# KiCad board XC31.kicad_pcb
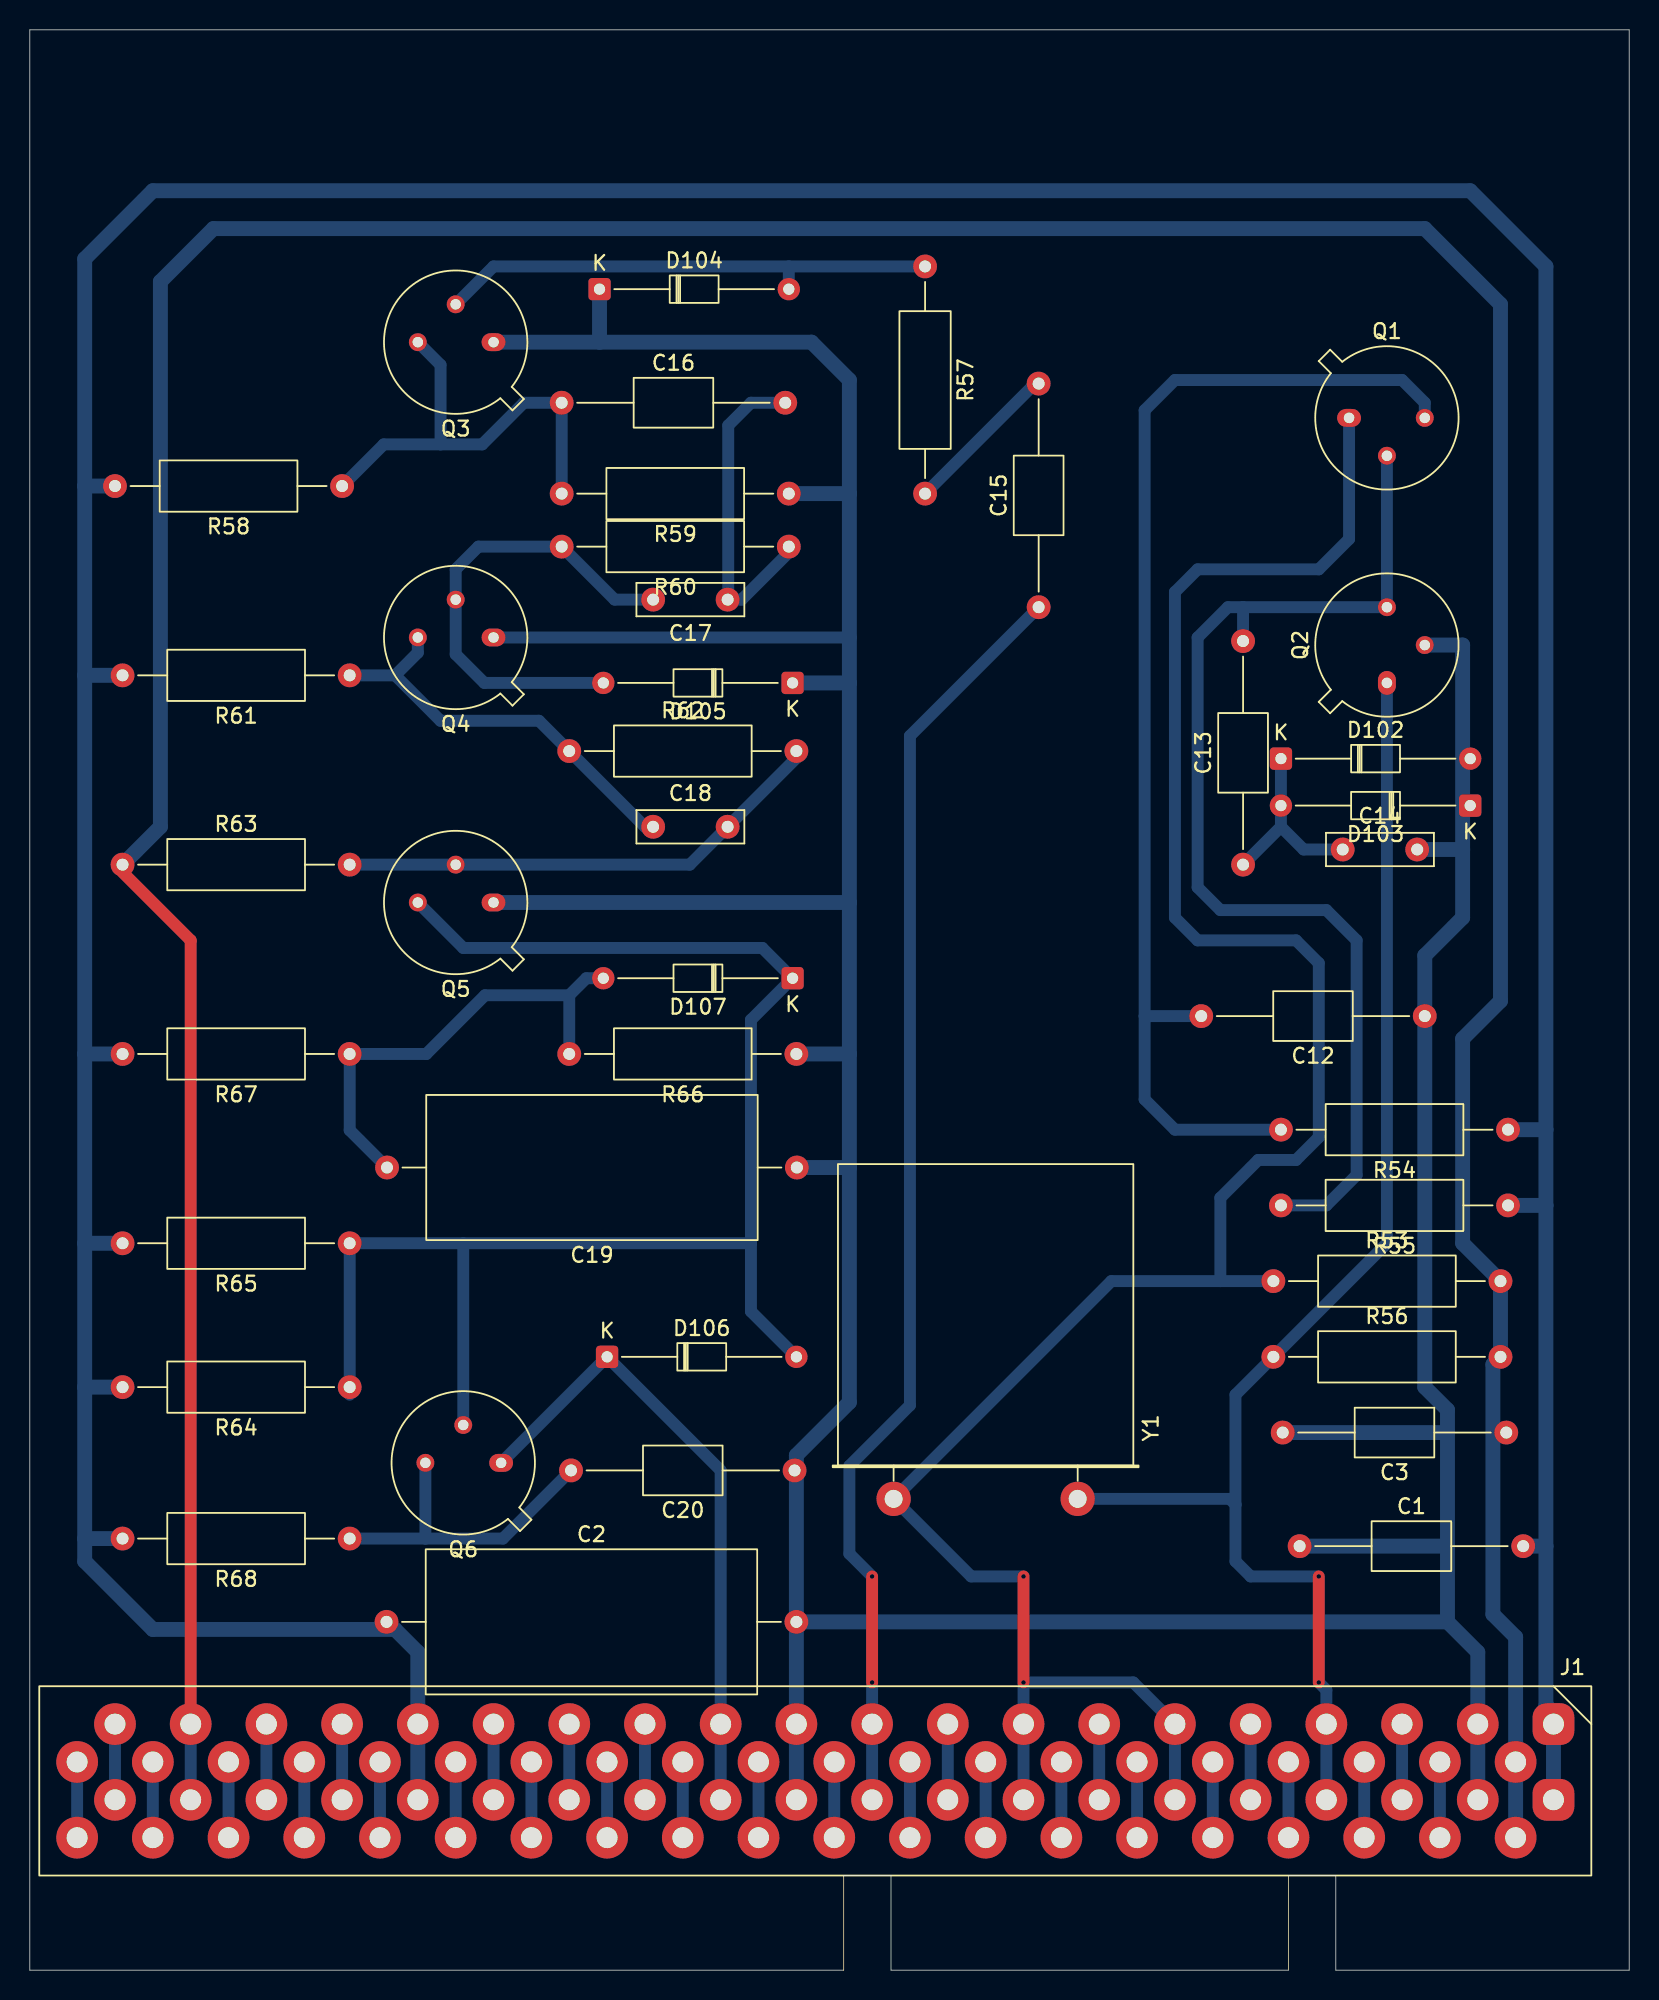
[diagram p0: board, top side]
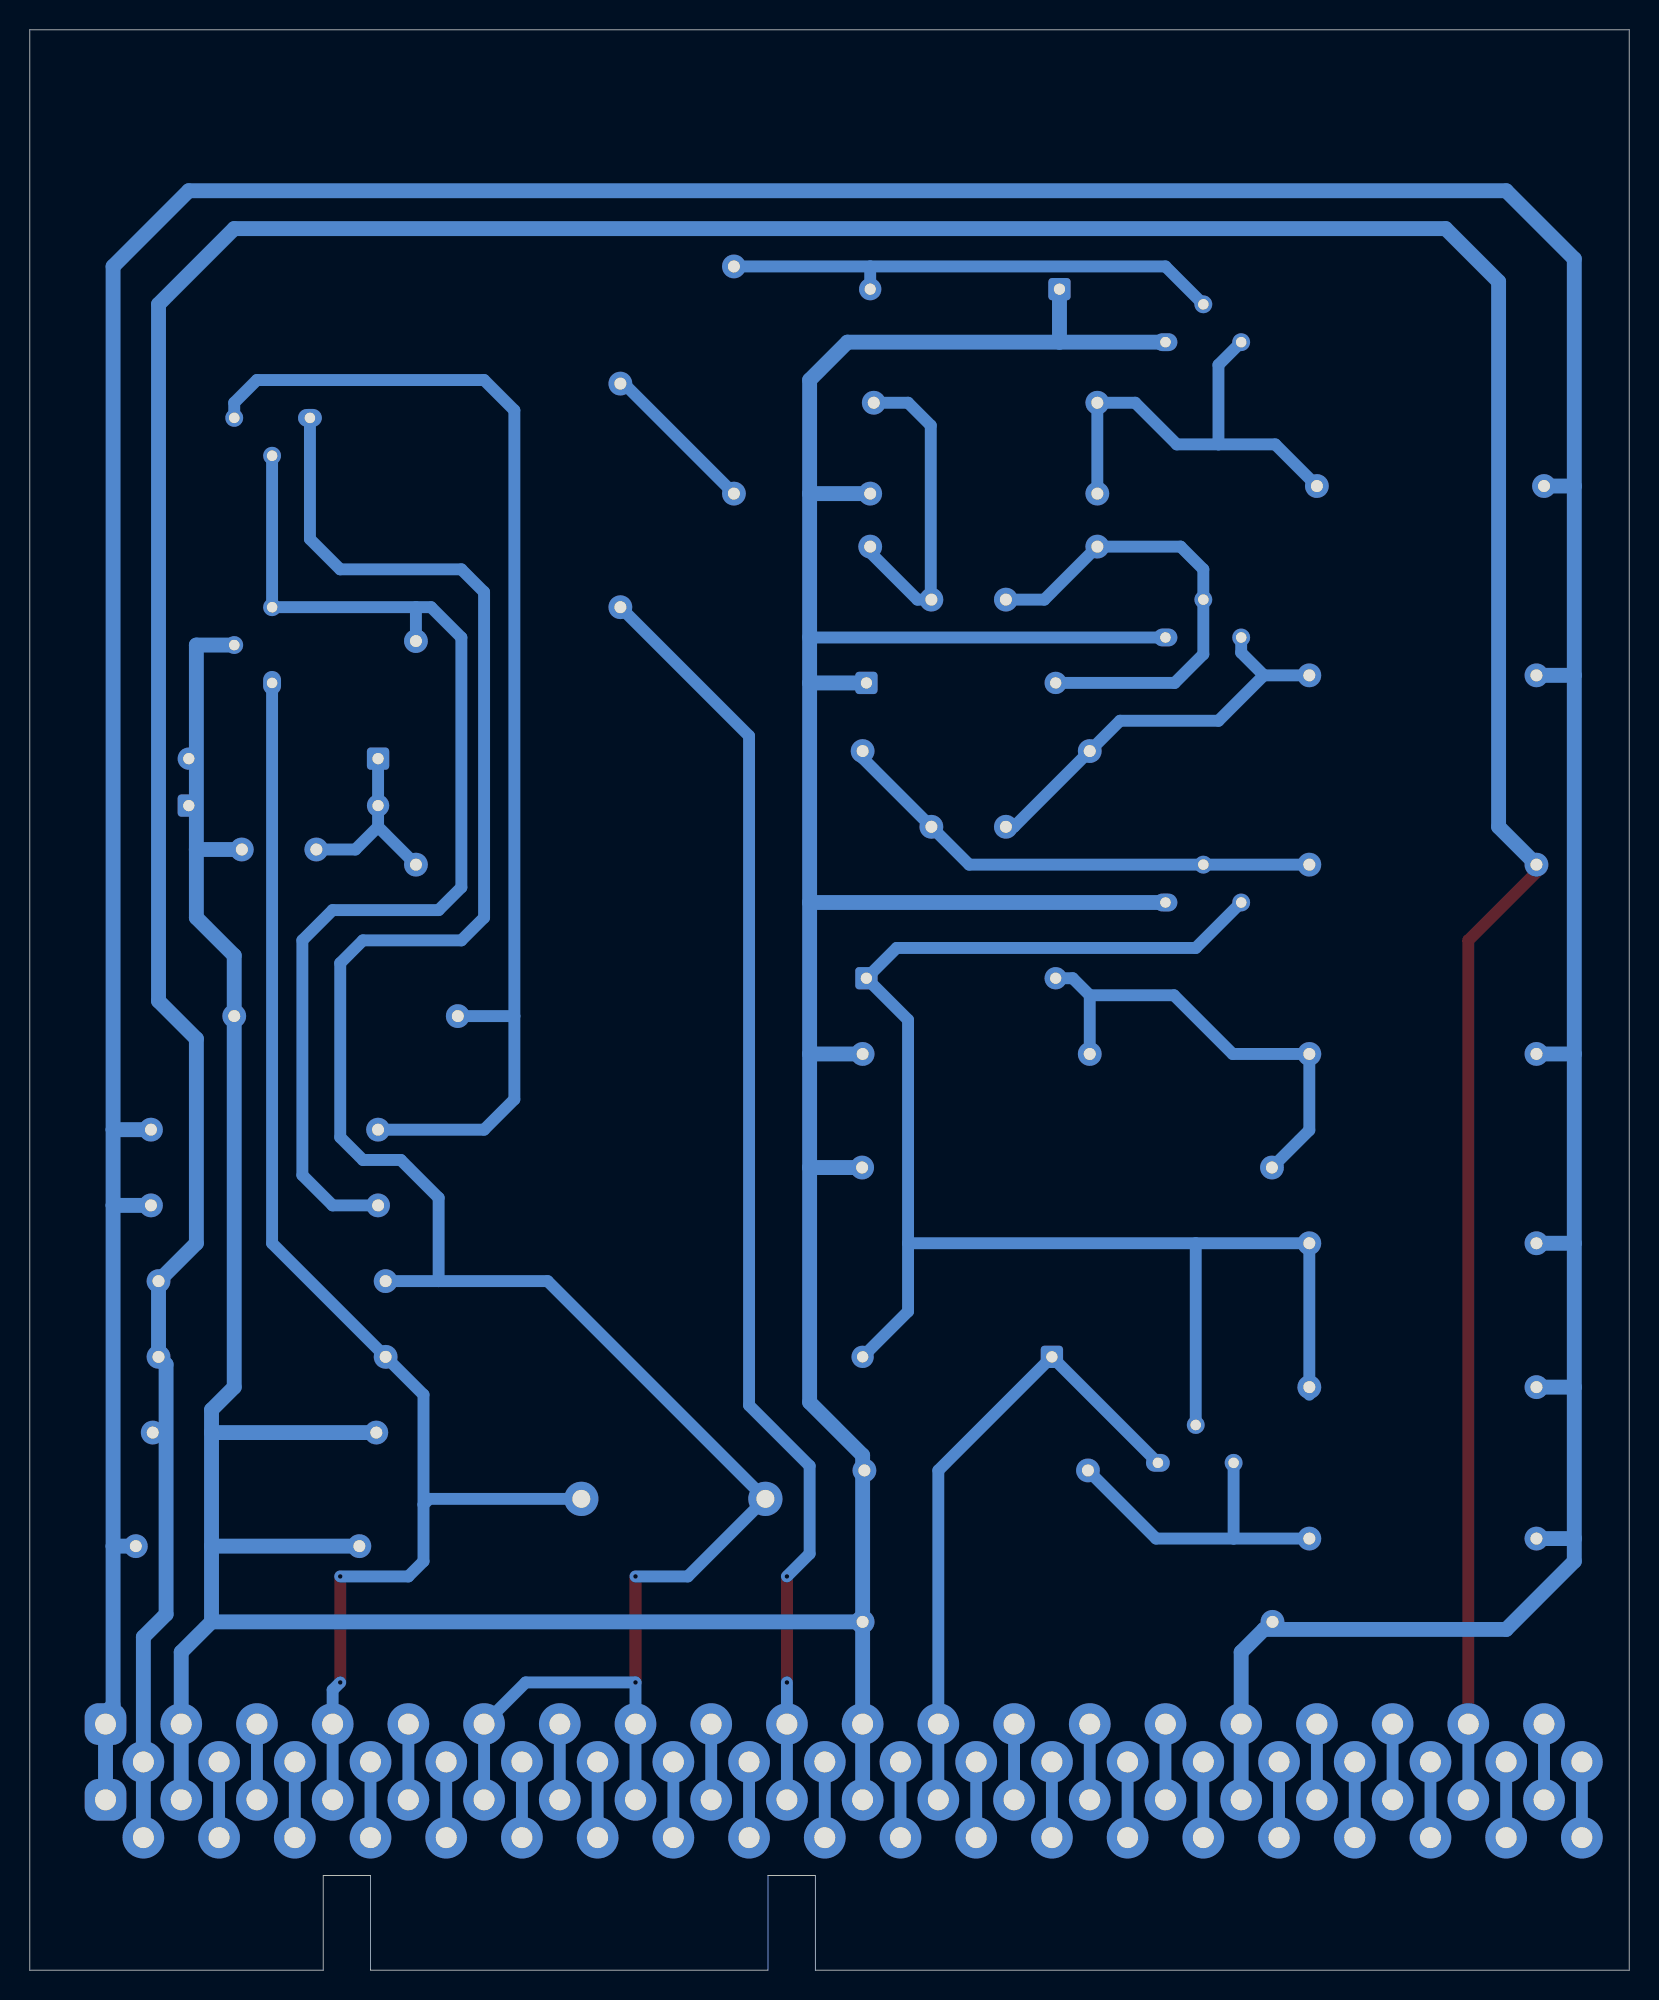
[diagram p1: board, bottom side, seen from below]

Outline 107.31 x 130.18 mm; copper layers: Top, Bottom. Coordinates in mm from the lower left corner of the outline.
Outline path: 0,130.18 107.31,130.18 107.31,0 87.63,0 87.63,6.35 84.45,6.35 84.45,0 57.78,0 57.78,6.35 54.61,6.35 54.61,0 0,0 0,130.18

## Placement (name value [footprint] x y rotation side)
C1  0.01uF  [C_Axial_L5.1mm_D3.1mm_P15.00mm_Horizontal]  85.2 28.45 0 top
C2  0.1uF  [C_Axial_L22.0mm_D9.5mm_P27.50mm_Horizontal]  23.93 23.37 0 top
C3  0.01uF  [C_Axial_L5.1mm_D3.1mm_P15.00mm_Horizontal]  99.07 36.07 180 top
C12  0.01uF  [C_Axial_L5.1mm_D3.1mm_P15.00mm_Horizontal]  93.6 64.01 180 top
C13  0.01uF  [C_Axial_L5.1mm_D3.1mm_P15.00mm_Horizontal]  81.41 74.17 90 top
C14  12pF  [C_Rect_L7.0mm_W2.0mm_P5.00mm]  88.09 75.18 0 top
C15  0.01uF  [C_Axial_L5.1mm_D3.1mm_P15.00mm_Horizontal]  67.69 91.44 90 top
C16  0.01uF  [C_Axial_L5.1mm_D3.1mm_P15.00mm_Horizontal]  35.69 105.16 0 top
C17  27pF  [C_Rect_L7.0mm_W2.0mm_P5.00mm]  46.82 91.95 180 top
C18  100pF  [C_Rect_L7.0mm_W2.0mm_P5.00mm]  41.82 76.71 0 top
C19  0.1uF  [C_Axial_L22.0mm_D9.5mm_P27.50mm_Horizontal]  51.47 53.85 180 top
C20  0.01uF  [C_Axial_L5.1mm_D3.1mm_P15.00mm_Horizontal]  51.31 33.53 180 top
D102  D  [D_DO-34_SOD68_P12.70mm_Horizontal]  83.95 81.28 0 top
D103  D  [D_DO-34_SOD68_P12.70mm_Horizontal]  96.65 78.13 180 top
D104  D  [D_DO-34_SOD68_P12.70mm_Horizontal]  38.23 112.78 0 top
D105  D  [D_DO-34_SOD68_P12.70mm_Horizontal]  51.18 86.36 180 top
D106  D  [D_DO-34_SOD68_P12.70mm_Horizontal]  38.73 41.15 0 top
D107  D  [D_DO-34_SOD68_P12.70mm_Horizontal]  51.18 66.55 180 top
J1  Conn_01x40  [ELCO 40]  102.23 16.51 0 top
Q1  PNP  [TO-5-3]  88.52 104.14 0 top
Q2  PNP  [TO-5-3]  91.06 86.36 90 top
Q3  PNP  [TO-5-3]  31.11 109.22 180 top
Q4  PNP  [TO-5-3]  31.11 89.41 180 top
Q5  PNP  [TO-5-3]  31.11 71.63 180 top
Q6  PNP  [TO-5-3]  31.62 34.04 180 top
R53  2k  [R_Axial_DIN0309_L9.0mm_D3.2mm_P15.24mm_Horizontal]  83.44 46.23 0 top
R54  100  [R_Axial_DIN0309_L9.0mm_D3.2mm_P15.24mm_Horizontal]  99.19 56.39 180 top
R55  2k  [R_Axial_DIN0309_L9.0mm_D3.2mm_P15.24mm_Horizontal]  99.19 51.31 180 top
R56  2k  [R_Axial_DIN0309_L9.0mm_D3.2mm_P15.24mm_Horizontal]  83.44 41.15 0 top
R57  330  [R_Axial_DIN0309_L9.0mm_D3.2mm_P15.24mm_Horizontal]  60.07 114.3 270 top
R58  680  [R_Axial_DIN0309_L9.0mm_D3.2mm_P15.24mm_Horizontal]  20.95 99.57 180 top
R59  1k  [R_Axial_DIN0309_L9.0mm_D3.2mm_P15.24mm_Horizontal]  50.93 99.06 180 top
R60  5.1k  [R_Axial_DIN0309_L9.0mm_D3.2mm_P15.24mm_Horizontal]  50.93 95.5 180 top
R61  680  [R_Axial_DIN0309_L9.0mm_D3.2mm_P15.24mm_Horizontal]  21.46 86.87 180 top
R62  680  [R_Axial_DIN0309_L9.0mm_D3.2mm_P15.24mm_Horizontal]  36.19 81.79 0 top
R63  10k  [R_Axial_DIN0309_L9.0mm_D3.2mm_P15.24mm_Horizontal]  6.22 74.17 0 top
R64  680  [R_Axial_DIN0309_L9.0mm_D3.2mm_P15.24mm_Horizontal]  21.46 39.12 180 top
R65  680  [R_Axial_DIN0309_L9.0mm_D3.2mm_P15.24mm_Horizontal]  21.46 48.77 180 top
R66  1k  [R_Axial_DIN0309_L9.0mm_D3.2mm_P15.24mm_Horizontal]  51.44 61.47 180 top
R67  680  [R_Axial_DIN0309_L9.0mm_D3.2mm_P15.24mm_Horizontal]  21.46 61.47 180 top
R68  100  [R_Axial_DIN0309_L9.0mm_D3.2mm_P15.24mm_Horizontal]  21.46 28.96 180 top
Y1  2.2MC  [Crystal_HC51_Horizontal]  70.31 31.62 180 top

## Library data of the parts
C1-C3 C12-C20 = -: Description: Unpolarized capacitor; ki_fp_filters: C_*
D102-D107 = -: Description: Diode; Sim.Pins: 1=K 2=A; ki_fp_filters: TO-???* *_Diode_* *SingleDiode* D_*
J1 = -: Description: Generic connector, single row, 01x40, script generated (kicad-library-utils/schlib/autogen/connector/); ki_fp_filters: Connector*:*_1x??_*
Q1-Q6 = -: Description: PNP transistor, emitter/base/collector; Sim.Type: GUMMELPOON; Sim.Pins: 1=C 2=B 3=E
R53-R68 = -: Description: Resistor; ki_fp_filters: R_*
Y1 = -: Description: Two pin crystal; ki_fp_filters: Crystal*

## Footprints (pads in the part's own frame, mm; a bottom-side part is the same pattern mirrored in y, then rotated)
C_Axial_L5.1mm_D3.1mm_P15.00mm_Horizontal
  round 1.6 hole 0.8: 1(0,0) 2(15,0)
C_Axial_L22.0mm_D9.5mm_P27.50mm_Horizontal
  round 1.6 hole 0.8: 1(0,0) 2(27.5,0)
C_Rect_L7.0mm_W2.0mm_P5.00mm
  round 1.6 hole 0.8: 1(0,0) 2(5,0)
Crystal_HC51_Horizontal
  round 2.3 hole 1.2: 1(0,0) 2(12.35,0)
D_DO-34_SOD68_P12.70mm_Horizontal
  rrect 1.5x1.5 hole 0.75: 1(0,0)
  round 1.5 hole 0.75: 2(12.7,0)
ELCO 40
  rrect 2.8x2.8 hole 1.4: 1(0,0) 1(0,-5.08)
  round 2.8 hole 1.4: 2(-2.54,-2.54) 2(-2.54,-7.62) 3(-5.08,0) 3(-5.08,-5.08) 4(-7.62,-2.54) 4(-7.62,-7.62) 5(-10.16,0) 5(-10.16,-5.08) 6(-12.7,-2.54) 6(-12.7,-7.62) 7(-15.24,0) 7(-15.24,-5.08) 8(-17.78,-2.54) 8(-17.78,-7.62) 9(-20.32,0) 9(-20.32,-5.08) 10(-22.86,-2.54) 10(-22.86,-7.62) 11(-25.4,0) 11(-25.4,-5.08) 12(-27.94,-2.54) 12(-27.94,-7.62) 13(-30.48,0) 13(-30.48,-5.08) 14(-33.02,-2.54) 14(-33.02,-7.62) 15(-35.56,0) 15(-35.56,-5.08) 16(-38.1,-2.54) 16(-38.1,-7.62) 17(-40.64,0) 17(-40.64,-5.08) 18(-43.18,-2.54) 18(-43.18,-7.62) 19(-45.72,0) 19(-45.72,-5.08) 20(-48.26,-2.54) 20(-48.26,-7.62) 21(-50.8,0) 21(-50.8,-5.08) 22(-53.34,-2.54) 22(-53.34,-7.62) 23(-55.88,0) 23(-55.88,-5.08) 24(-58.42,-2.54) 24(-58.42,-7.62) 25(-60.96,0) 25(-60.96,-5.08) 26(-63.5,-2.54) 26(-63.5,-7.62) 27(-66.04,0) 27(-66.04,-5.08) 28(-68.58,-2.54) 28(-68.58,-7.62) 29(-71.12,0) 29(-71.12,-5.08) 30(-73.66,-2.54) 30(-73.66,-7.62) 31(-76.2,0) 31(-76.2,-5.08) 32(-78.74,-2.54) 32(-78.74,-7.62) 33(-81.28,0) 33(-81.28,-5.08) 34(-83.82,-2.54) 34(-83.82,-7.62) 35(-86.36,0) 35(-86.36,-5.08) 36(-88.9,-2.54) 36(-88.9,-7.62) 37(-91.44,0) 37(-91.44,-5.08) 38(-93.98,-2.54) 38(-93.98,-7.62) 39(-96.52,0) 39(-96.52,-5.08) 40(-99.06,-2.54) 40(-99.06,-7.62)
R_Axial_DIN0309_L9.0mm_D3.2mm_P15.24mm_Horizontal
  round 1.6 hole 0.8: 1(0,0) 2(15.24,0)
TO-5-3
  oval 1.6x1.2 hole 0.7: 1(0,0)
  round 1.2 hole 0.7: 2(2.54,-2.54) 3(5.08,0)

## Nets
+6V: C3.1 J1.2 J1.37 R53.2 R56.2 R63.1
-12V: C1.2 C2.1 J1.1 J1.31 R54.1 R55.1 R58.2 R61.2 R64.2 R65.2 R67.2 R68.2
GND: C1.1 C2.2 C3.2 C12.1 C14.2 C19.1 C20.1 D102.2 D103.1 D104.1 D105.1 J1.3 J1.21 Q2.2 Q3.1 Q4.1 Q5.1 R59.1 R66.1
J1-7: J1.7 Q2.1 R56.1 Y1.1
J1-11: J1.11 J1.15 Q1.1 R53.1 Y1.2
J1-19: C15.1 J1.19
J1-23: D106.1 J1.23 Q6.1
Net-(C15-Pad2): C15.2 R57.2
Net-(C16-Pad2): C16.2 C17.1 R60.1
Net-(D102-K): C13.1 C14.1 D102.1 D103.2
Net-(D104-A): D104.2 Q3.2 R57.1
Net-(D105-A): C17.2 D105.2 Q4.2 R60.2
Net-(D106-A): D106.2 D107.1 Q5.3 Q6.2 R64.1 R65.1
Net-(D107-A): C19.2 D107.2 R66.2 R67.1
Net-(Q1-B): C13.2 Q1.2 Q2.3 R55.2
Net-(Q1-C): C12.2 Q1.3 R54.2
Net-(Q3-C): C16.1 Q3.3 R58.1 R59.2
Net-(Q4-C): C18.1 Q4.3 R61.1 R62.1
Net-(Q5-B): C18.2 Q5.2 R62.2 R63.2
Net-(Q6-C): C20.2 Q6.3 R68.1

Pads without a net: J1 4 5 6 8 9 10 12 13 14 16 17 18 20 22 24 25 26 27 28 29 30 32 33 34 35 36 38 39 40

## Via types
v1: diameter 0.6, hole 0.3, Top to Bottom, 6 vias

## Routing (per net, layer and track width the routed paths; a pad name or vN(x,y) marks a point on that pad's centre or on a via; arc(x,y) is an arc through that point)
+6V: length 303.6
  Top w0.8: 6.22,73.66 10.79,69.09 J1.37
  Bottom w0.8: J1.37 J1.37
  Bottom w1: J1.2 J1.2 99.69,22.35 98.17,23.88 98.17,40.64 R56.2 R53.2 96.14,48.77 96.14,62.48 98.68,65.02 98.68,111.76 93.6,116.84 12.32,116.84 8.76,113.28 8.76,76.71 R63.1
-12V: length 348.6
  Bottom w1: R67.2 3.68,61.47 ; 3.68,61.47 3.68,86.87 ; 3.68,61.47 3.68,48.77 ; C1.2 101.73,28.45 ; 101.73,28.45 101.73,51.31 ; 101.73,28.45 101.73,17.78 102.23,17.27 J1.1 J1.1 ; 3.68,39.12 3.68,28.96 ; 3.68,39.12 3.68,48.77 ; 3.68,39.12 R64.2 ; 3.68,28.96 R68.2 ; 3.68,28.96 3.68,27.43 8.25,22.86 24.51,22.86 26.03,21.34 J1.31 J1.31 ; 3.68,99.57 3.68,114.81 8.25,119.38 96.65,119.38 101.73,114.3 101.73,56.39 ; 3.68,99.57 3.68,86.87 ; 3.68,99.57 R58.2 ; 3.68,86.87 R61.2 ; 3.68,48.77 R65.2 ; 101.73,51.31 R55.1 ; 101.73,51.31 101.73,56.39 ; 101.73,56.39 R54.1
GND: length 338.2
  Bottom w0.8: Q4.1 54.99,89.41
  Bottom w1: Q5.1 54.99,71.63 ; 54.99,71.63 54.99,86.36 ; 54.99,71.63 54.99,61.47 ; 54.99,86.36 54.99,99.06 ; 54.99,86.36 D105.1 ; 54.99,53.85 54.99,61.47 ; 54.99,53.85 C19.1 ; 54.99,53.85 54.99,38.1 51.44,34.54 C2.2 ; 54.99,61.47 R66.1 ; J1.21 J1.21 C2.2 ; 95.12,28.45 95.12,36.07 ; 95.12,28.45 95.12,23.37 ; 95.12,28.45 C1.1 ; 95.12,36.07 C3.2 ; 95.12,36.07 95.12,37.59 93.6,39.12 93.6,68.07 96.14,70.61 96.14,75.18 ; C2.2 95.12,23.37 ; 95.12,23.37 97.16,21.34 J1.3 J1.3 ; D104.1 38.23,109.22 ; 38.23,109.22 52.45,109.22 54.99,106.68 54.99,99.06 ; 38.23,109.22 Q3.1 ; Q2.2 96.14,88.9 96.14,75.18 ; R59.1 54.99,99.06 ; 96.14,75.18 C14.2
J1-7: length 95.1
  Top w0.8: v1(86.49,19.3) v1(86.49,26.42)
  Bottom w0.8: Q2.1 91.06,48.77 R56.1 80.9,38.61 80.9,31.24 ; Y1.1 80.52,31.62 80.9,31.24 ; v1(86.49,26.42) 81.91,26.42 80.9,27.43 80.9,31.24 ; J1.7 J1.7 86.99,18.8 v1(86.49,19.3)
J1-11: length 153.4
  Top w0.8: v1(66.67,26.42) v1(66.67,19.3)
  Bottom w0.8: v1(66.67,26.42) 63.16,26.42 57.96,31.62 72.57,46.23 79.88,46.23 ; J1.11 J1.11 74.04,19.3 v1(66.67,19.3) J1.15 J1.15 ; Q1.1 88.52,96.01 86.49,93.98 78.36,93.98 76.83,92.46 76.83,70.61 78.36,69.09 84.96,69.09 86.49,67.56 86.49,55.88 84.96,54.36 82.42,54.36 79.88,51.82 79.88,46.23 ; 79.88,46.23 R53.1
J1-19: length 85.9
  Top w0.8: v1(56.52,26.42) v1(56.52,19.3)
  Bottom w0.8: v1(56.52,19.3) J1.19 J1.19 ; v1(56.52,26.42) 54.99,27.94 54.99,33.83 59.05,37.9 59.05,82.8 C15.1
J1-23: length 42.9
  Bottom w0.8: Q6.1 D106.1 46.35,33.53 J1.23 J1.23
Net-(C15-Pad2): length 10.7
  Bottom w0.8: R57.2 67.45,106.44 C15.2
Net-(C16-Pad2): length 21.9
  Bottom w0.8: R60.1 50.93,95.12 47.76,91.95 46.86,91.95 46.86,103.63 48.39,105.16 C16.2
Net-(D102-K): length 12.9
  Bottom w0.8: D102.1 D103.2 83.95,76.71 ; C14.1 85.47,75.18 83.95,76.71 ; 83.95,76.71 C13.1
Net-(D104-A): length 34.1
  Bottom w0.8: 50.93,114.3 31.11,114.3 Q3.2 ; 50.93,114.3 R57.1 ; 50.93,114.3 D104.2
Net-(D105-A): length 31.8
  Bottom w0.8: C17.2 39.24,91.95 R60.2 30.1,95.5 28.58,93.98 Q4.2 28.58,88.28 30.5,86.36 D105.2
Net-(D106-A): length 104.3
  Bottom w0.8: 48.39,48.77 48.39,63.75 D107.1 49.15,68.58 29.08,68.58 Q5.3 ; 48.39,48.77 29.08,48.77 ; 48.39,48.77 48.39,44.2 D106.2 ; 29.08,48.77 Q6.2 ; 29.08,48.77 R65.1 21.46,38.61
Net-(D107-A): length 31.7
  Bottom w0.8: 36.19,65.41 30.54,65.41 26.61,61.47 R67.1 21.46,56.35 C19.2 ; 36.19,65.41 37.34,66.55 D107.2 ; 36.19,65.41 R66.2
Net-(Q1-B): length 76.5
  Bottom w0.8: C13.2 81.41,91.44 ; 81.41,91.44 Q2.3 Q1.2 ; 81.41,91.44 80.39,91.44 78.36,89.41 78.36,72.64 79.88,71.12 86.99,71.12 89.03,69.09 89.03,53.34 86.99,51.31 R55.2
Net-(Q1-C): length 81.3
  Bottom w0.8: Q1.3 93.6,105.16 92.07,106.68 76.83,106.68 74.8,104.65 74.8,64.01 ; 74.8,64.01 74.8,58.42 76.83,56.39 R54.2 ; 74.8,64.01 C12.2
Net-(Q3-C): length 30.6
  Bottom w0.8: 27.56,102.36 23.75,102.36 R58.1 ; 27.56,102.36 30.35,102.36 33.15,105.16 C16.1 R59.2 ; 27.56,102.36 27.56,107.7 Q3.3
Net-(Q4-C): length 27.7
  Bottom w0.8: R61.1 24.51,86.87 ; 24.51,86.87 27.56,83.82 34.16,83.82 R62.1 41.27,76.71 C18.1 ; 24.51,86.87 26.03,88.39 Q4.3
Net-(Q5-B): length 33.4
  Bottom w0.8: R63.2 Q5.2 44.28,74.17 C18.2 51.44,81.32 R62.2
Net-(Q6-C): length 21.8
  Bottom w0.8: 26.54,28.96 31.74,28.96 C20.2 ; 26.54,28.96 R68.1 ; 26.54,28.96 Q6.3
unconnected-(J1-Pin_4-Pad4): length 5.1
  Bottom w0.8: J1.4 J1.4
unconnected-(J1-Pin_5-Pad5): length 5.1
  Bottom w0.8: J1.5 J1.5
unconnected-(J1-Pin_6-Pad6): length 5.1
  Bottom w0.8: J1.6 J1.6
unconnected-(J1-Pin_8-Pad8): length 5.1
  Bottom w0.8: J1.8 J1.8
unconnected-(J1-Pin_9-Pad9): length 5.1
  Bottom w0.8: J1.9 J1.9
unconnected-(J1-Pin_10-Pad10): length 5.1
  Bottom w0.8: J1.10 J1.10
unconnected-(J1-Pin_12-Pad12): length 5.1
  Bottom w0.8: J1.12 J1.12
unconnected-(J1-Pin_13-Pad13): length 5.1
  Bottom w0.8: J1.13 J1.13
unconnected-(J1-Pin_14-Pad14): length 5.1
  Bottom w0.8: J1.14 J1.14
unconnected-(J1-Pin_16-Pad16): length 5.1
  Bottom w0.8: J1.16 J1.16
unconnected-(J1-Pin_17-Pad17): length 5.1
  Bottom w0.8: J1.17 J1.17
unconnected-(J1-Pin_18-Pad18): length 5.1
  Bottom w0.8: J1.18 J1.18
unconnected-(J1-Pin_20-Pad20): length 5.1
  Bottom w0.8: J1.20 J1.20
unconnected-(J1-Pin_22-Pad22): length 5.1
  Bottom w0.8: J1.22 J1.22
unconnected-(J1-Pin_24-Pad24): length 5.1
  Bottom w0.8: J1.24 J1.24
unconnected-(J1-Pin_25-Pad25): length 5.1
  Bottom w0.8: J1.25 J1.25
unconnected-(J1-Pin_26-Pad26): length 5.1
  Bottom w0.8: J1.26 J1.26
unconnected-(J1-Pin_27-Pad27): length 5.1
  Bottom w0.8: J1.27 J1.27
unconnected-(J1-Pin_28-Pad28): length 5.1
  Bottom w0.8: J1.28 J1.28
unconnected-(J1-Pin_29-Pad29): length 5.1
  Bottom w0.8: J1.29 J1.29
unconnected-(J1-Pin_30-Pad30): length 5.1
  Bottom w0.8: J1.30 J1.30
unconnected-(J1-Pin_32-Pad32): length 5.1
  Bottom w0.8: J1.32 J1.32
unconnected-(J1-Pin_33-Pad33): length 5.1
  Bottom w0.8: J1.33 J1.33
unconnected-(J1-Pin_34-Pad34): length 5.1
  Bottom w0.8: J1.34 J1.34
unconnected-(J1-Pin_35-Pad35): length 5.1
  Bottom w0.8: J1.35 J1.35
unconnected-(J1-Pin_36-Pad36): length 5.1
  Bottom w0.8: J1.36 J1.36
unconnected-(J1-Pin_38-Pad38): length 5.1
  Bottom w0.8: J1.38 J1.38
unconnected-(J1-Pin_39-Pad39): length 5.1
  Bottom w0.8: J1.39 J1.39
unconnected-(J1-Pin_40-Pad40): length 5.1
  Bottom w0.8: J1.40 J1.40
